# KiCad board central-control-unit.kicad_pcb (continued)
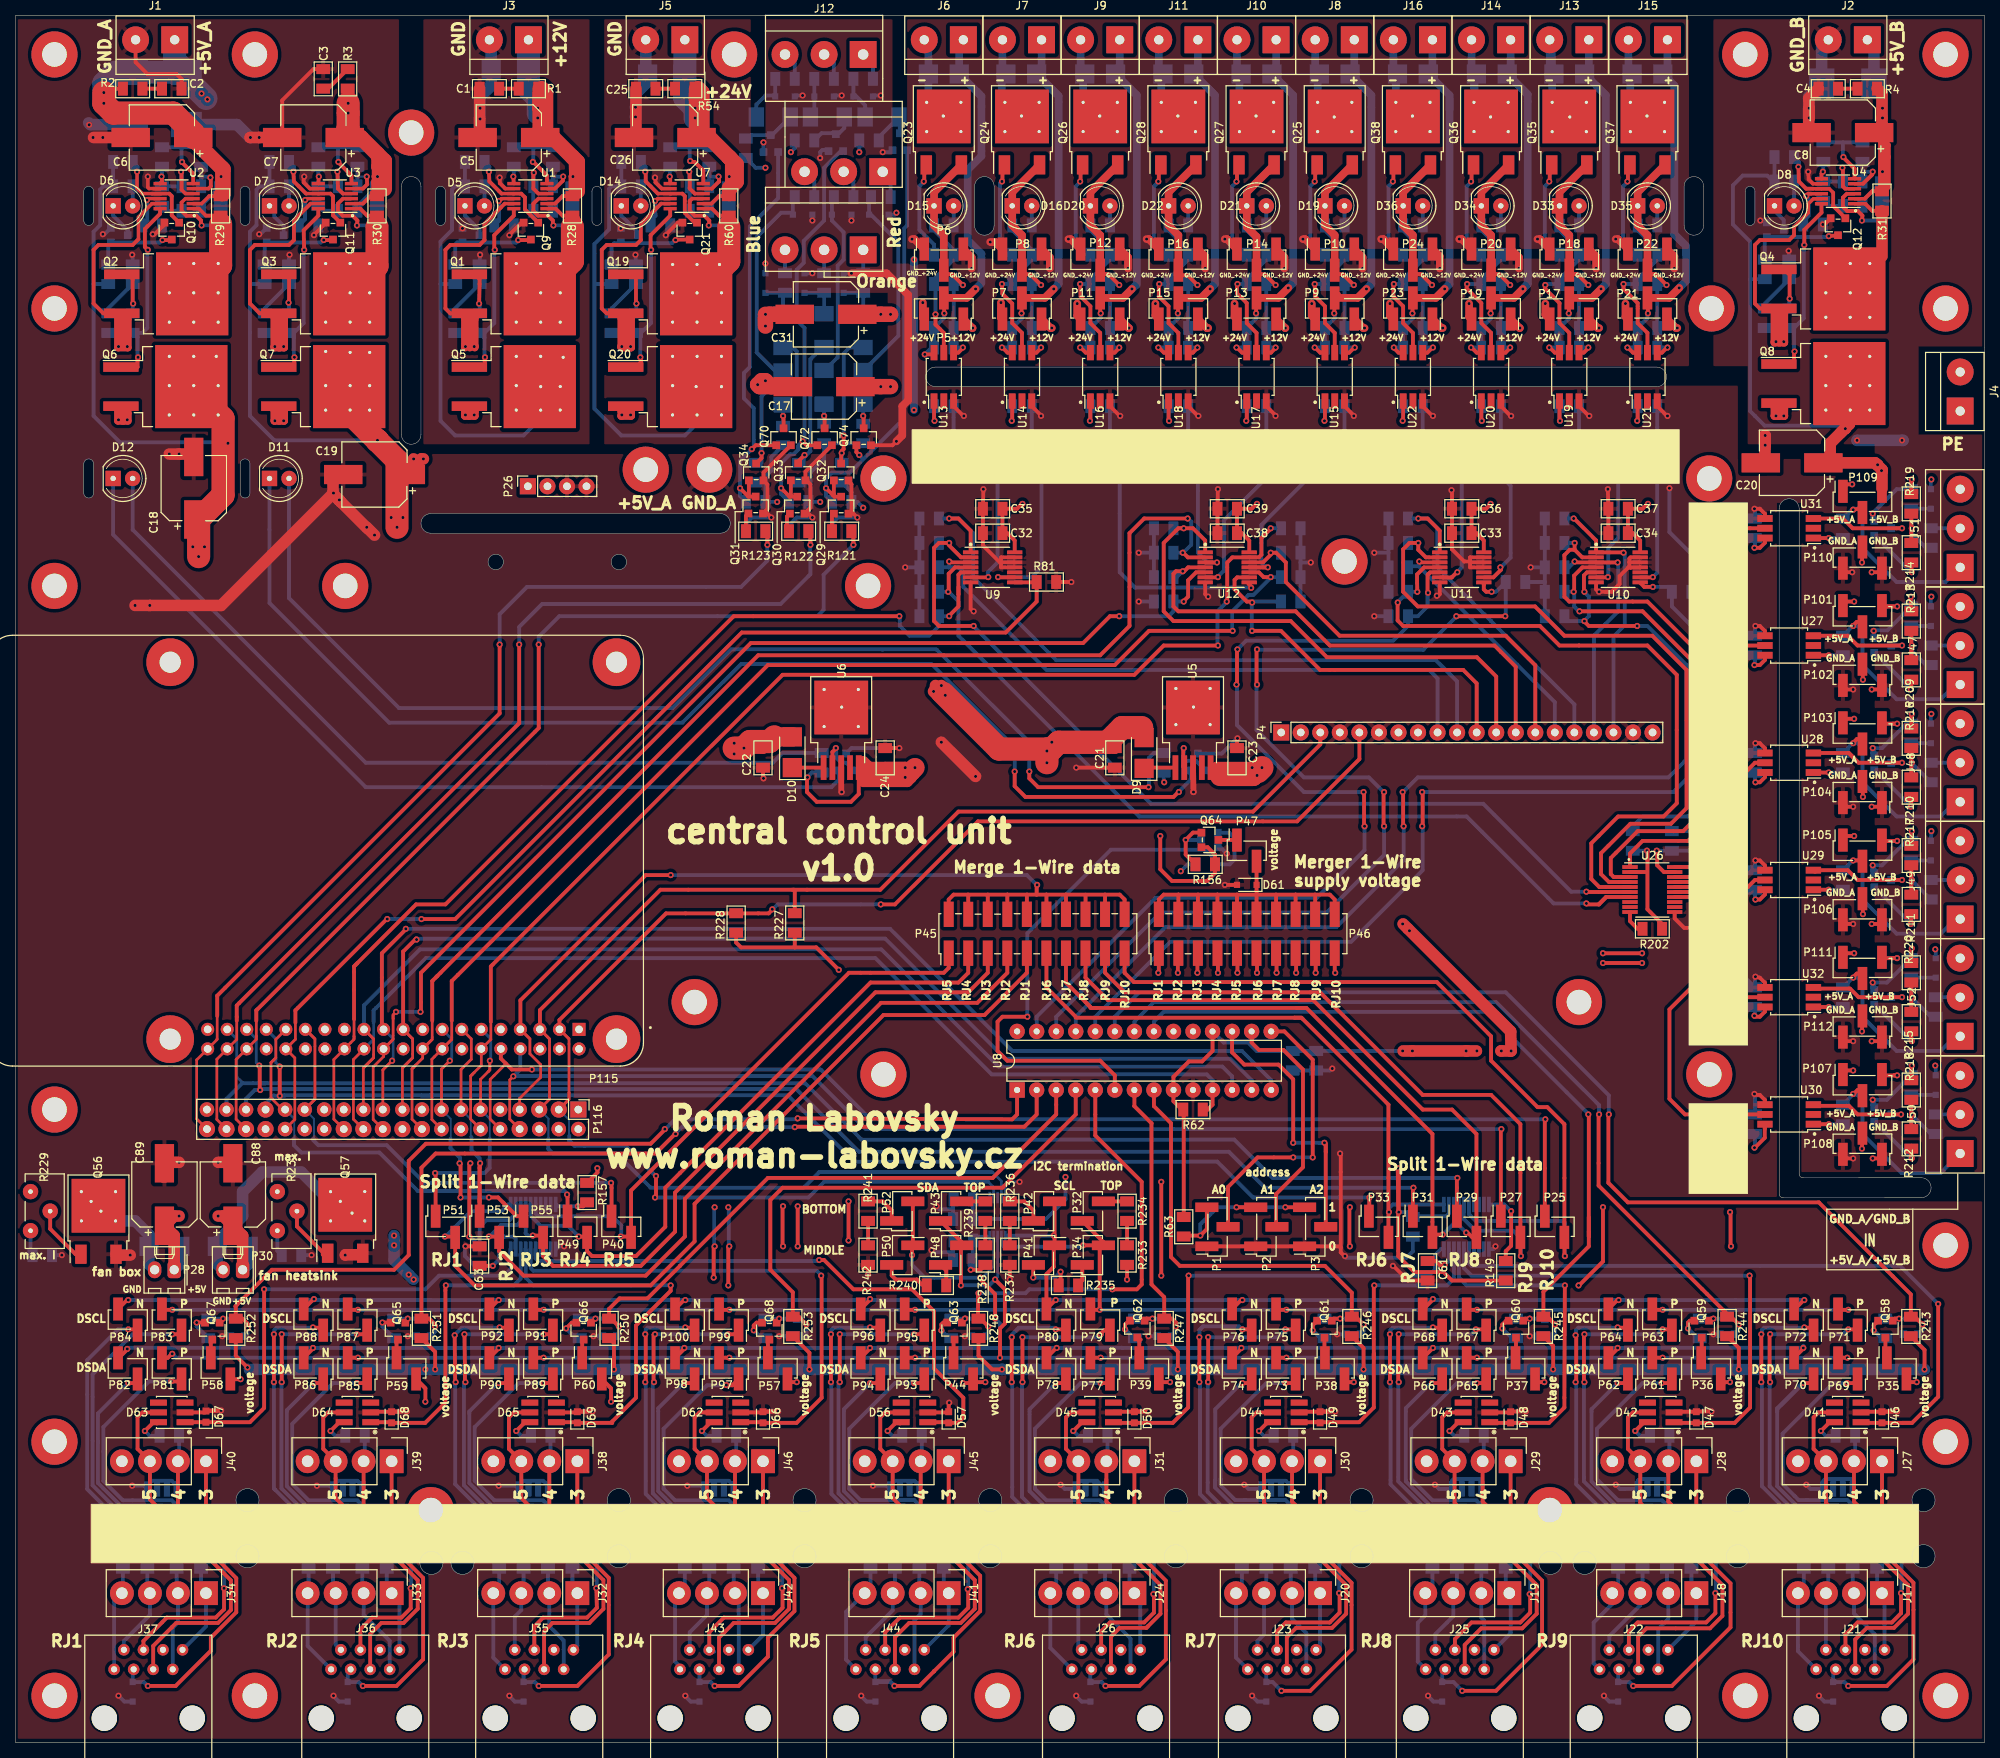
[diagram p0: board, top side]
## Routing (per net, layer and track width the routed paths; a pad name or vN(x,y) marks a point on that pad's centre or on a via; arc(x,y) is an arc through that point) (continued)
  Bottom w0.5: U24.15 67.61,62.95 67.94,62.61 104.33,62.61 v1(104.46,62.74)
/1-Wire bus/1WIRE_OUTDOOR_SENSOR_DATA_OUT_3V3: length 77.1
  Top w0.5: P45.1 121.29,100.71 120.65,100.08 108.32,100.08 80.01,71.77 P40.2 79.91,65.79 v1(78.68,65.79) 78.74,65.79
  Bottom w0.5: U24.6 67.61,68.77 67.96,68.42 77.56,68.42 78.74,67.24 78.74,65.79
/1-Wire bus/1WIRE_SECOND_FLOOR_FIREPLACE_DATA_5V: length 52.8
  Top w0.5: D65.1 72.94,41.66 D69.1 77.56,41.57 77.56,41.75 80.64,44.83 80.64,54.22 85.15,58.73 v1(85.15,59.44) 85.09,59.44
  Bottom w0.25: 66.36,63.46 66.3,63.51 U24.17
  Bottom w0.5: 85.09,59.44 67.31,59.44 66.3,60.44 U24.17 66.3,63.32
/1-Wire bus/1WIRE_SECOND_FLOOR_FIREPLACE_DATA_OUT_3V3: length 88.3
  Top w0.5: P45.5 126.36,100.08 123.83,97.54 111.76,97.54 85.72,71.5 85.72,66.42 81.28,61.98 69.85,61.98 68.58,63.25 P55.2 68.35,65.91 v1(67.25,65.91)
  Bottom w0.5: v1(67.25,65.91) 66.61,65.91 66.3,66.22 U24.4
/ Relays Outputs/BLUE_LED_CON_1: length 3.2
  Bottom w0.5: 100.01,194.18 R132.2
/ Relays Outputs/BLUE_LED_CON_2: length 3.7
  Bottom w0.5: 103.82,201.17 103.82,203.07 102.55,204.34
/ Relays Outputs/BLUE_LED_CON_3: length 3.7
  Bottom w0.5: 101.28,216.41 101.28,218.31 100.01,219.58
/ Relays Outputs/ORANGE_LED_CON_1: length 3.2
  Bottom w0.5: 105.09,194.18 R131.2
/ Relays Outputs/ORANGE_LED_CON_2: length 3.7
  Bottom w0.5: 108.9,201.17 108.9,203.07 107.63,204.34
/ Relays Outputs/ORANGE_LED_CON_3: length 3.7
  Bottom w0.5: 105.09,219.58 106.36,218.31 106.36,216.41
/ Relays Outputs/RED_LED_CON_1: length 3.2
  Bottom w0.5: R130.2 110.17,194.18
/ Relays Outputs/RED_LED_CON_2: length 3.6
  Bottom w0.5: 112.71,204.34 113.73,203.33 113.73,201.17
/ Relays Outputs/RED_LED_CON_3: length 3.7
  Bottom w0.5: 111.44,216.41 111.44,218.31 110.17,219.58
/ Relays Outputs/TRAN_BLUE_LED: length 56.9
  Top w0.5: 95.26,161.98 95.32,162.04 Q34.1 ; 95.26,161.98 v1(94.17,163.07) ; 95.26,161.98 Q31.3 ; Q70.1 96.2,168.66 v1(95.69,168.15)
  Bottom w0.5: Q69.1 99.12,200.78 95.44,197.1 95.44,178.82 94.68,178.05 94.68,174.75 95.95,173.48 95.95,168.4 94.17,166.62 94.17,162.05 R126.2
/ Relays Outputs/TRAN_ORANGE_LED: length 58.8
  Top w0.5: 100.61,161.97 100.77,162.13 Q33.1 ; 100.61,161.97 v1(99.5,163.07) ; 100.61,161.97 Q30.3 ; v1(102.3,169.16) 102.81,168.66 Q72.1
  Bottom w0.5: v1(102.3,169.16) 101.79,168.66 101.79,168.15 ; R125.2 99.5,162.31 99.5,166.32 100.67,167.49 101.13,167.49 101.69,168.05 101.69,168.5 102.55,169.37 102.55,183.9 101.54,184.91 101.54,191.47 102.45,192.38 102.45,195.22 105.09,197.87 105.09,204.72 107.39,207.03 107.57,207.03
/ Relays Outputs/TRAN_RED_LED: length 58.1
  Top w0.5: 106.24,162.18 106.45,161.97 Q29.3 ; 106.24,162.18 v1(105.35,163.07) ; 106.24,162.18 106.36,162.31 Q32.1 ; v1(109.66,167.39) 109.29,167.76 Q74.1
  Bottom w0.5: Q71.1 115.88,197.23 115.51,196.85 115.51,172.16 108.45,165.1 106.11,165.1 105.35,164.34 105.35,162.05 R124.2 ; v1(109.66,167.39) 110.07,166.98
/Connectors/PCB_FREE1_5V: length 12.1
  Top w0.5: U29.5 226.06,112.14 225.15,111.23 U26.16
/Connectors/PCB_FREE2_5V: length 25.3
  Top w0.5: U26.17 222.81,111.88 224.79,113.86 224.79,126.11 226.06,127.38 U28.5
/Connectors/PCB_FREE3_5V: length 38.9
  Top w0.25: U26.18 215.65,112.53 215.72,112.45
  Top w0.5: U26.18 219.65,112.53 222.89,115.76 222.89,140.72 224.79,142.62 U27.5
/Connectors/PCB_FREE4_5V: length 53.9
  Top w0.5: 217.39,113.83 219.05,113.83 220.98,115.76 220.98,154.05 224.79,157.86 U31.5 ; 217.39,113.83 U26.20 ; 217.39,113.83 218.86,113.83
/Connectors/PCB_PUMP_UNDERFLOOR_HEATING_FIRST_FOOR_5V: length 46.7
  Top w0.5: U30.5 216.98,81.66 214.95,83.69 214.95,95.31 220.98,101.35 220.98,108.78 219.83,109.93 U26.14
/Connectors/PCB_PUMP_UNDERFLOOR_HEATING_SECOND_FOOR_5V: length 23.2
  Top w0.5: U26.15 221.08,110.58 222.89,108.78 222.89,98.81 224.79,96.9 U32.5
/I2C bus/DSCL_N: length 280.9
  Top w0.5: 14.6,57.53 14.5,57.53 P84.2 ; 135.26,57.53 v1(135.19,57.53) 135.15,57.53 P80.2 133.99,60.9 134.94,61.85 134.94,64.54 P41.1 P42.2 ; 208.28,57.53 208.18,57.53 P64.2 ; P96.2 111.02,57.53 v1(111.06,57.66) 111.12,57.53 ; P92.2 62.76,57.53 v1(62.8,57.53) 62.86,57.53 ; P76.2 159.28,57.53 159.39,57.53 ; P72.2 231.25,56.37 232.41,57.53 ; 38.73,57.53 38.63,57.53 P88.2 ; 232.41,57.53 232.47,57.59 v1(232.47,57.53) 232.41,57.53 ; 135.04,70.25 135.15,70.36 ; P100.2 86.89,57.53 87,57.53 ; 182.88,56.37 182.99,56.37 184.15,57.53
  Bottom w0.5: 53.97,57.53 v1(87.06,57.53) 125.09,57.53 ; 53.97,57.53 38.93,57.53 v1(38.8,57.66) 38.67,57.53 38.1,57.53 ; 53.97,57.53 31.11,57.53 ; 38.1,57.53 v1(14.67,57.53) 14.6,57.53 ; 38.1,57.53 38.73,57.53 ; v1(134.94,65.91) 128.89,65.91 128.76,65.79 ; 232.41,57.53 v1(208.34,57.53) 184.34,57.53 v1(184.21,57.66) 184.09,57.53 v1(159.45,57.53) 124.46,57.53
/I2C bus/DSCL_P: length 283.3
  Top w0.5: 116.84,56.26 v1(116.9,56.26) 115.67,56.26 115.57,56.37 ; v1(138.75,64.64) P34.2 ; P34.2 141.39,65.07 P32.1 ; P34.2 140.91,64.16 v1(140.91,56.26) ; 44.45,56.26 43.28,56.26 43.18,56.37 ; 165.1,56.26 163.94,56.26 P75.2 ; P99.2 91.55,56.26 92.71,56.26 ; 139.7,56.37 139.81,56.26 140.97,56.26 ; P91.2 67.41,56.26 68.58,56.26 ; 238.12,56.26 v1(238.19,56.26) 236.96,56.26 P71.2 ; P67.2 188.7,56.26 189.87,56.26 ; 20.32,56.26 19.16,56.26 P83.2 ; P63.2 212.83,56.26 214,56.26
  Bottom w0.35: U25.7 128.13,64.78 128.43,64.48
  Bottom w0.5: v1(138.75,64.64) 138.59,64.48 128.43,64.48 ; 20.32,56.26 v1(20.38,56.26) 53.97,56.26 ; 238.12,56.26 v1(214.06,56.26) v1(165.16,56.26) 124.46,56.26 125.09,56.26 ; 31.11,56.26 v1(44.51,56.26) v1(68.64,56.26) v1(92.77,56.26) 125.73,56.26
  vias: v1(189.93,56.26)
/I2C bus/DSDA_N: length 279.6
  Top w0.5: 37.46,50.55 P86.2 38.67,51.22 v1(38.67,51.31) ; 109.86,50.55 P94.2 111.06,51.22 v1(111.06,51.31) ; 87,51.29 P98.2 86.93,51.22 v1(86.93,51.31) ; v1(184.21,51.31) 182.92,50.02 182.88,50.02 182.88,50.55 ; 133.99,50.55 P78.2 135.28,51.31 v1(135.32,51.31) ; 61.59,50.55 P90.2 62.8,51.22 v1(62.8,51.31) ; v1(127.32,55.12) 127.32,58.29 125.41,60.2 ; 116.73,70.36 116.63,70.25 P50.1 116.52,64.54 v1(116.52,63.37) ; 158.12,50.55 P74.2 159.32,51.22 v1(159.32,51.31) ; v1(232.35,51.31) 232.35,51.22 P70.2 231.14,50.55 ; P82.2 13.44,50.02 14.6,51.18 ; 207.01,50.55 P62.2 208.22,51.22 v1(208.22,51.31)
  Bottom w0.25: 125.67,60.45 v1(125.41,60.45)
  Bottom w0.35: 125.67,60.45 127.14,61.92 U25.9
  Bottom w0.5: 127.95,51.31 127.95,54.48 v1(127.32,55.12) ; 127.95,51.31 v1(111.06,51.31) v1(86.93,51.31) v1(62.8,51.31) v1(38.67,51.31) 37.78,51.31 37.77,51.32 ; 127.95,51.31 140.65,51.31 140.66,51.32 143.81,51.32 143.83,51.31 158.43,51.31 ; v1(125.41,60.45) 119.44,60.45 ; 119.44,60.45 118.43,60.45 ; 119.44,60.45 118.17,60.45 116.52,62.1 v1(116.52,63.37) ; 231.57,51.32 231.58,51.31 v1(232.35,51.31) ; 231.57,51.32 232.08,51.32 232.35,51.59 ; 231.57,51.32 213.69,51.32 213.67,51.31 207.45,51.31 207.44,51.32 158.45,51.32 158.43,51.31 ; 159.7,51.31 v1(159.32,51.31) 158.43,51.31 ; 37.77,51.32 14.68,51.32 v1(14.54,51.18) ; 37.77,51.32 38.18,51.32
/I2C bus/DSDA_P: length 264.1
  Top w0.5: 20.32,50.55 19.79,50.02 P81.2 ; v1(127.32,60.2) 128.59,58.93 128.59,54.48 127.95,53.85 v1(127.95,50.04) ; v1(116.9,50.04) 115.59,50.04 115.57,50.02 ; P43.1 122.98,65.07 P48.2 122.87,64.54 v1(122.87,59.44) ; v1(165.16,50.04) 163.85,50.04 P73.2 ; v1(214.06,50.04) 212.75,50.04 P61.2 ; v1(92.77,50.04) 91.46,50.04 P97.2 ; v1(238.06,50.04) 236.88,50.04 P69.2 ; v1(189.93,50.04) 188.62,50.04 P65.2 ; v1(141.03,50.04) 139.72,50.04 139.7,50.02 ; v1(44.51,50.04) 43.2,50.04 43.18,50.02 ; P89.2 67.33,50.04 v1(68.64,50.04)
  Bottom w0.35: U25.8 127.64,60.52 v1(127.32,60.2)
  Bottom w0.5: v1(127.32,60.2) 126.56,59.44 v1(122.87,59.44) ; v1(238.06,50.04) v1(165.16,50.04) v1(116.9,50.04) v1(92.77,50.04) 66.99,50.04 ; 43.37,50.04 v1(44.51,50.04) 66.99,50.04 ; 43.37,50.04 20.89,50.04 v1(20.38,50.55) ; 43.37,50.04 44.01,50.04 ; 66.99,50.04 68.14,50.04
/MCP23S17_A0: length 38.4
  Top w0.5: 157.59,71.84 157.59,72.05 ; 157.59,71.84 157.59,72.24 161.42,76.07 v1(166.05,76.07) ; 157.59,71.84 P1.2 ; 168.59,87.5 168.59,88.33 ; 168.59,87.5 168.59,88.77 164.91,92.46 U8.15 ; 168.59,87.5 v1(168.59,76.07)
  Bottom w0.5: v1(168.59,76.07) v1(166.05,76.07)
/MCP23S17_A1: length 31.5
  Top w0.5: U8.16 160.66,91 161.61,90.04 164.78,90.04 167.32,87.5 167.32,74.8 163.83,71.31 163.83,67.06
/MCP23S17_A2: length 36.8
  Top w0.5: 170.29,67.16 P3.2 170.29,76.79 ; 170.29,76.79 170.29,77.81 v1(170.12,77.98) ; 170.29,76.79 170.29,77.56 ; U8.17 158.12,89.73 159.7,88.14 164.15,88.14 166.05,86.23 v1(166.05,77.98)
  Bottom w0.5: v1(166.05,77.98) 169.35,77.98 ; 169.35,77.98 v1(170.12,77.98) ; 169.35,77.98 169.86,77.98
CELLAR_FIREPLACE_DSCL_N_CON: length 13.6
  Bottom w0.5: J37.1 12.83,18.41 J34.4 13.97,19.56 R185.1
CELLAR_FIREPLACE_DSCL_P_CON: length 12.1
  Bottom w0.5: J37.2 14.1,13.21 17.48,16.6 J34.3 17.15,19.77 R184.1
CELLAR_FIREPLACE_DSDA_N_CON: length 13.4
  Bottom w0.5: R183.1 20.95,19.6 J34.2 21.12,15.6 20.45,14.92 J37.7
CELLAR_FIREPLACE_DSDA_P_CON: length 12.1
  Bottom w0.5: R182.1 24.13,20.07 J34.1 24.77,15.11 J37.8
Earth_Protective: length 85.7
  GND.Cu w0.5: P4.20 212.76,138.84 219.08,145.16 219.08,158.94 216.22,161.8 216.22,166.88 218.12,168.78 222.57,168.78 225.23,166.12 239.4,166.12 246.38,173.1 J4.1 252.73,178.18
FIRST_FLOOR_FIREPLACE_DSCL_N_CON: length 14.4
  Bottom w0.5: R189.1 38.1,19.56 J33.4 37.98,12.57 J36.1
FIRST_FLOOR_FIREPLACE_DSCL_P_CON: length 11
  Bottom w0.5: J36.2 41.61,12.74 J33.3 41.27,19.77 R188.1
FIRST_FLOOR_FIREPLACE_DSDA_N_CON: length 14.6
  Bottom w0.5: 48.64,9.53 48.64,13.23 45.25,16.62 J33.2 45.09,19.6 R187.1
FIRST_FLOOR_FIREPLACE_DSDA_P_CON: length 11.2
  Bottom w0.5: R186.1 48.26,20.07 J33.1 49.91,18.41 J36.8
FREE1_DSCL_N_CON: length 13.9
  Bottom w0.5: J26.1 134.5,12.32 134.5,18.8 135.26,19.56 135.26,21.97
FREE1_DSCL_P_CON: length 10.2
  Bottom w0.5: 138.43,21.97 138.43,19.09 138.14,18.8 138.14,12.49 J26.2
FREE1_DSDA_N_CON: length 13.8
  Bottom w0.5: 144.91,9.53 144.91,13.52 141.78,16.66 141.78,18.8 141.61,18.97 141.61,21.97
FREE1_DSDA_P_CON: length 10.5
  Bottom w0.5: 144.78,21.97 144.78,19.43 146.18,18.03 J26.8
FREE2_DSCL_N_CON: length 20.9
  Bottom w0.5: 159.39,21.97 159.39,19.56 158.62,18.8 ; 158.62,18.8 158.62,11.05 J23.1 ; 158.62,18.8 158.62,11.3
FREE2_DSCL_P_CON: length 10.9
  Bottom w0.5: 162.27,18.8 162.27,14.06 161.42,13.21 J23.2 ; 162.27,18.8 162.56,19.09 162.56,21.97 ; 162.27,18.8 161.93,18.46
FREE2_DSDA_N_CON: length 13.8
  Top w0.5: 167.51,9.27 167.89,9.65
  Bottom w0.5: J23.7 167.77,14.22 165.91,16.09 165.91,18.8 165.74,18.97 165.74,21.97
FREE2_DSDA_P_CON: length 10.4
  Bottom w0.5: J23.8 169.55,12.57 169.55,18.8 168.91,19.43 168.91,21.97
FREE3_DSCL_N_CON: length 13.7
  Bottom w0.5: 184.15,21.97 184.15,19.73 183.22,18.8 183.22,16.55 182.25,15.58 182.25,10.54 183.26,9.53
FREE3_DSCL_P_CON: length 11.1
  Bottom w0.5: 187.33,21.97 187.33,19.26 186.86,18.8 186.86,16.43 184.53,14.1 J25.2
FREE3_DSDA_N_CON: length 12.6
  Bottom w0.5: J25.7 190.88,15.87 190.5,16.26 190.5,21.97
FREE3_DSDA_P_CON: length 11.6
  Bottom w0.5: J25.8 194.31,14.22 194.31,14.92 ; 194.31,14.92 194.31,18.63 193.68,19.26 193.68,21.97 ; 194.31,14.92 194.31,14.35
FREE4_DSCL_N_CON: length 14.1
  Bottom w0.5: J22.1 205.11,10.29 205.11,15.62 207.52,18.04 207.52,18.8 208.28,19.56 208.28,21.97
FREE4_DSCL_P_CON: length 11.7
  Bottom w0.5: J22.2 207.14,13.84 211.16,17.87 211.16,18.8 211.46,19.09 211.46,21.97
FREE4_DSDA_N_CON: length 13.1
  Bottom w0.5: 214.63,21.97 214.63,18.97 214.8,18.8 214.8,16.09 213.49,14.77 J22.7
FREE4_DSDA_P_CON: length 11.7
  Bottom w0.5: J22.8 218.44,15.75 218.44,18.8 217.81,19.43 217.81,21.97
FREE5_DSCL_N_CON: length 13.7
  Bottom w0.5: J21.1 231.65,11.89 231.65,18.8 232.41,19.56 232.41,21.97
FREE5_DSCL_P_CON: length 10
  Bottom w0.5: 235.59,21.97 235.59,19.09 235.28,18.79 J21.2
FREE5_DSDA_N_CON: length 13.6
  Bottom w0.5: 238.76,21.97 238.76,18.97 238.93,18.8 238.93,16.78 241.63,14.08 J21.7
FREE5_DSDA_P_CON: length 10.3
  Bottom w0.5: 241.94,21.97 241.94,19.43 242.9,18.46 J21.8
HOT_WATER_TANK_DSCL_N_CON: length 13.9
  Bottom w0.5: R201.1 87,20.19 J42.4 85.72,18.92 85.72,10.54 86.36,9.91 J43.1
HOT_WATER_TANK_DSCL_P_CON: length 11.6
  Bottom w0.5: J43.2 87.63,14.35 89.88,16.6 J42.3 90.17,19.73 R200.1
HOT_WATER_TANK_DSDA_N_CON: length 13.3
  Bottom w0.5: R199.1 93.34,19.6 J42.2 93.98,18.97 J43.7
HOT_WATER_TANK_DSDA_P_CON: length 12.2
  Bottom w0.5: R198.1 96.52,20.07 J42.1 97.16,14.99 ; 97.16,14.99 97.16,13.97 J43.8 ; 97.16,14.99 97.16,14.35
I2C_SCL: length 206.5
  Top w0.25: 67.94,93.26 68.04,93.36
  Top w0.35: 69.41,91.06 69.41,91.48 P115.5 69.34,91.55 ; 69.41,91.06 69.41,83.63 P116.5 ; 69.41,91.06 69.41,91.31
  Top w0.5: 101.16,110.87 83.82,110.87 68.17,95.22 P115.5 ; 101.16,110.87 101.28,110.74 R227.2 ; 101.16,110.87 112.39,110.87 122.55,121.03 160.85,121.03 169.58,129.76 P4.3
  Bottom w0.25: 69.25,78.52 69.27,78.54 69.27,81.09 P116.5
  Bottom w0.35: U25.4 128.14,72.97 126.94,74.17
  Bottom w0.5: 69.25,78.52 69.25,77.18 69.85,76.58 78.11,76.58 82.55,72.14 102.43,72.14 104.46,74.17 126.94,74.17
I2C_SDA: length 208.6
  Top w0.35: 71.88,83.57 P116.3 71.95,83.63 71.95,84.46 ; 71.88,91.55 P115.3 71.95,91.48 71.95,84.46 ; 71.95,84.46 71.95,83.95
  Top w0.5: 93.68,107.8 84.56,107.8 70.71,93.95 P115.3 ; 93.68,107.8 97.89,107.8 98.36,108.27 v1(98.36,108.33) 98.42,108.33 ; 93.68,107.8 R228.2 ; 112.39,108.97 v1(112.46,108.97) 114.3,108.97 125.09,119.76 166.56,119.76 174.66,127.86 P4.5 ; 83.19,73.69 v1(83.25,73.66) 83.25,70.99 v1(83.12,70.87)
  Bottom w0.25: 71.98,78.9 71.95,78.93 71.95,80.96 P116.3
  Bottom w0.35: U25.2 127.14,72.19 126.43,72.9
  Bottom w0.5: 83.19,70.87 v1(83.12,70.87) 103.06,70.87 105.09,72.9 126.43,72.9 ; 83.19,73.69 79.3,77.57 ; 79.3,77.57 80.47,76.4 79.38,77.5 ; 79.3,77.57 72.67,77.57 71.98,78.26 71.98,78.9 ; 98.42,108.33 99.06,108.97 112.39,108.97
OTHER_+3V3: length 77.9
  Top w0.5: 160.66,126.75 C23.1 U5.5
  Top w1.5: v1(160.72,126.75) 161.93,126.75 ; v1(160.72,126.75) 160.66,126.75 ; v1(160.72,126.75) 156.02,126.75
  Top w2.5: v1(161.99,126.75) 160.85,125.6 156.53,125.6
  Top w3: v1(161.99,126.75) 161.48,126.24
  PWR.Cu w0.5: 166.81,126.75 179.71,126.75 ; 162.56,126.75 160.66,126.75 160.66,126.11 159.39,124.84 v1(149.29,124.84) 149.23,124.84
  PWR.Cu w1.5: P4.8 182.28,128.49 180.53,126.75 179.26,126.75 ; v1(161.35,125.73) 161.35,126.75 ; 161.35,126.75 179.71,126.75 ; 161.35,126.75 160.66,126.75 ; P4.2 167.04,126.97 166.81,126.75
  Bottom w0.5: 149.23,124.84 R52.1
OTHER_+5V_A: length 1548.2
  Top w0.5: 62.02,61.98 C63.1 ; v1(168.59,53.59) 168.59,54.36 168.67,54.36 Q61.2 ; C61.1 184.59,62.61 185.1,62.1 v1(185.74,62.1) ; v1(95.95,53.59) 95.95,54.23 96.31,54.59 Q68.2 97.01,54.61 ; 238.76,87.38 v1(238.82,87.38) 238.02,87.38 P107.1 ; v1(47.69,54.61) 48.75,54.61 Q65.2 ; 226.06,109.6 v1(226.12,109.6) 226.7,109.6 227.36,110.26 227.36,110.87 ; 72.79,54.48 Q66.2 72.31,54.59 v1(71.56,53.85) ; 238.76,133.1 v1(238.95,133.1) 238.02,133.1 P103.1 ; Q64.2 154.94,116.4 155.89,115.44 R156.1 155.89,113.03 154.88,112.01 150.3,112.01 148.78,113.54 148.78,117.6 ; 24.64,54.8 24.64,54.85 24.4,54.61 23.43,54.61 v1(23.56,54.61) ; v1(217.36,53.85) 217.36,54.61 217.6,54.85 Q59.2 ; v1(124.14,61.47) 125.41,61.47 126.05,62.1 ; 144.45,54.59 144.21,54.36 v1(144.21,53.72) ; 226.06,77.34 227.33,78.61 227.33,80.37 U30.6 227.36,79.78 ; Q58.2 241.49,54.27 v1(241.49,53.59) ; P111.1 238.02,102.62 v1(238.95,102.62) 238.76,102.62 ; 226.06,155.32 v1(226,155.32) 226.7,155.32 227.36,155.98 U31.6 ; v1(120.33,53.59) 120.33,54.36 120.59,54.61 Q63.2 ; 238.76,148.34 v1(238.95,148.34) 238.02,148.34 P101.1 ; 226.06,94.36 226.7,94.36 227.36,95.02 U32.6 ; U27.6 227.36,140.74 226.7,140.08 v1(226,140.08) 226.06,140.08 ; 226.06,124.84 v1(226.12,124.84) 226.7,124.84 227.36,125.5 U28.6 ; v1(144.46,60.2) 144.46,62.1 ; v1(193.23,53.85) 193.23,54.36 193.72,54.85 Q60.2 ; U26.19 214.23,113.18 213.36,114.05 213.36,115.95 ; 238.76,163.58 v1(238.7,163.58) 238.02,163.58 237.49,163.05 ; 238.76,117.86 v1(238.95,117.86) 238.02,117.86 P105.1
  Top w1: 120.33,136.65 v1(119.32,136.65) 119.32,137.16 119.57,137.41 ; 120.33,136.65 v1(120.33,137.41) ; 120.33,136.65 120.59,136.4
  Top w1.5: 43.38,174.17 Q7.3 43.38,172.9 47.09,169.2 ; v1(119.32,136.65) 119.82,136.14 v1(120.84,136.14) 120.84,136.91 v1(120.33,137.41) ; 132.72,129.29 C21.1 142.88,129.92 ; P30.1 29.53,65.91 C88.1 26.99,68.45 v1(26.35,68.45) ; 119.57,137.41 120.59,136.4 ; v1(51.75,166.88) 51.75,165.86 C19.1 52.77,166.88 v1(53.02,166.88) ; v1(21.27,68.45) 20.64,68.45 C89.1 20.64,65.91 P28.1 ; 133.99,129.29 133.99,127.38
  Top w3: v1(134.05,127.38) v1(134.05,128.91) 134.05,129.16 ; 134.05,129.16 134.68,129.16 135.57,130.05 141.92,130.05 143.83,131.95 146.37,131.95 ; 134.05,129.16 127.83,129.16 120.59,136.4 ; v1(49.59,157.99) 49.59,166.69 47.05,169.23 v1(47.05,169.29) 46.99,169.29 43.5,172.78 43.5,176.4
  PWR.Cu w0.5: 226.06,94.36 226.06,96.9 221.62,101.35 221.62,101.98 ; 9.84,76.07 7.18,76.07 1.97,70.87 ; 9.84,76.07 17.46,76.07 ; 9.84,76.07 12.38,76.07 ; 95.95,55.12 95.95,67.31 95.65,67.61 ; 95.95,55.12 95.95,54.61 ; 95.95,55.12 v1(95.95,53.59) ; 26.99,73.53 31.5,73.53 34.04,70.99 ; 26.99,73.53 20.64,73.53 20.32,73.22 ; 26.99,73.53 26.35,73.53 ; 238.76,87.38 237.96,87.38 237.41,87.93 ; 237.41,148.26 237.49,148.34 238.76,148.34 ; 226.06,140.08 221.62,140.08 ; 237.41,117.94 237.49,117.86 238.76,117.86 ; v1(148.78,117.86) 148.78,121.16 148.97,121.35 ; v1(193.23,53.85) 193.23,61.85 193.68,62.29 193.68,67.53 193.59,67.61 ; v1(241.49,53.59) 241.49,67.5 ; 71.56,54.48 71.56,54.86 ; 71.56,54.86 v1(71.56,53.85) ; 71.56,54.86 71.56,61.21 69.83,62.95 69.83,67.61 ; 28.64,57.28 28.7,57.34 ; 120.33,61.21 120.59,61.47 121.6,61.47 ; 120.33,61.21 v1(120.33,53.59) ; 120.33,61.21 120.33,67.18 120.76,67.61 120.65,67.5 ; 62.02,61.98 v1(62.04,61.98) 62.04,62 63.5,63.46 63.5,67.69 ; v1(185.74,62.1) 182.88,64.96 182.88,67.53 182.8,67.61 182.88,67.69 ; v1(217.36,53.85) 217.36,67.34 217.09,67.61 ; v1(47.69,54.61) 47.69,60.2 ; 47.69,60.2 47.69,60.96 47.18,61.47 ; 47.69,60.2 47.69,60.58 ; 238.76,102.62 237.49,102.62 237.41,102.54 ; 33.46,57.02 33.78,57.34 ; v1(168.59,53.59) 168.59,67.31 168.29,67.61 ; 121.6,61.47 120.78,61.47 ; 121.6,61.47 v1(124.14,61.47) ; 238.76,133.1 237.49,133.1 237.41,133.02 ; 133.99,126.11 133.99,129.29 ; 52.77,65.66 53.09,65.98 ; 152.4,121.03 152.08,121.35 ; 48.26,61.15 48.58,61.47 ; 241.49,68.01 241.38,68.12 ; 238.76,163.58 235.59,163.58 ; 221.62,115.76 221.42,115.95 v1(219.14,115.95) 219.08,115.95 ; 226.06,124.84 221.62,124.84 221.62,124.21 ; 144.89,67.61 144.46,67.18 v1(144.46,60.2) 144.21,59.94 v1(144.21,53.72) ; 146.05,140.72 164.47,140.72 ; 226.06,155.32 221.62,155.32 ; 24.13,56.71 23.56,56.13 v1(23.56,54.61) ; 141.61,136.27 141.29,135.95 ; 226.06,77.34 225.11,77.34 ; 226.06,109.6 221.62,109.6
  PWR.Cu w1: v1(109.66,206.76) 108.9,207.52 102.81,207.52 ; 105,160.88 109.82,160.88 v1(110.17,160.53) ; 105,160.88 v1(104.58,161.29) 103.82,162.05 103.82,168.66 106.36,171.2 111.7,171.2 113.73,173.23 v1(116.78,173.23) ; 105,160.88 105,146.65 ; 102.81,207.52 101.54,207.52 ; 102.81,207.52 101.28,207.52 ; 101.28,207.52 100.27,207.52 v1(97.47,204.72) 97.47,202.95 100.01,200.41 109.92,200.41 113.98,196.34 113.98,195.58 v1(116.78,192.79) ; 101.28,207.52 101.28,207.26 v1(100.77,206.76) ; v1(99,161.29) 99.5,160.78 99.5,146.81 99.66,146.65 ; 99.89,146.88 100.11,146.65
  PWR.Cu w1.5: 221.62,141.99 221.62,121.03 ; 221.62,141.99 221.62,157.23 ; 221.62,141.99 221.62,140.72 ; 208.83,67.61 54.72,67.61 48.58,61.47 39.05,61.47 34.92,57.34 24.77,57.34 24.13,56.71 ; 208.83,67.61 208.92,67.69 208.92,107.7 ; 208.83,67.61 241.38,67.61 ; 208.92,107.7 198.76,107.7 185.1,121.35 136.21,121.35 133.99,123.57 133.99,129.29 134.68,129.98 v1(134.68,130.05) 134.75,130.05 145.42,140.72 ; 208.92,107.7 213.36,107.7 ; 120.65,136.27 113.44,143.48 108.17,143.48 105,146.65 56.74,146.65 49.59,153.8 49.59,159.26 ; 221.62,108.33 221.62,121.03 ; 221.62,108.33 220.98,107.7 213.36,107.7 ; 221.62,108.33 221.62,101.98 214.95,95.31 214.95,82.42 220.03,77.34 v1(226,77.34) 226.06,77.34 ; 221.62,157.23 221.62,159.13 226.7,164.21 234.95,164.21 237.41,161.75 237.41,86.66 ; 221.62,157.23 221.62,158.5 ; 213.36,107.7 219.08,107.7 ; 160.02,140.72 163.83,140.72 164.5,140.05 P4.1 ; v1(26.35,68.45) 23.81,68.45 ; 23.81,68.45 v1(21.27,68.45) ; 23.81,68.45 23.81,69.72 13.02,80.52 13.02,154.81 18.1,159.89 36.51,159.89 38.42,161.8 38.42,163.7 41.59,166.88 v1(51.75,166.88) v1(53.02,166.88) ; 221.62,121.03 221.62,119.76 ; 145.42,140.72 146.05,140.72 ; 145.42,140.72 160.66,140.72
  Bottom w0.25: 62.86,65.15 62.86,63.25 ; 65.02,64.13 U24.19 ; 186.29,63.52 186.31,63.5
  Bottom w0.5: 62.86,62.83 62.86,65.15 63.5,65.79 64.77,65.79 65,65.55 U24.19 ; 62.86,62.83 62.86,63.25 ; 62.86,62.83 62.02,61.98 ; 30.48,189.61 30.48,172.47 33.66,169.29 46.99,169.29 ; 30.48,189.61 R46.1 ; 30.48,189.61 30.48,196.41 31.34,197.26 31.34,201.9 31.75,202.31 R50.1 R42.1 ; R155.1 121.35,52.58 v1(120.33,53.59) ; R154.1 145.35,52.58 v1(144.21,53.72) ; 126.43,65.79 124.97,65.79 C66.1 124.4,65.21 C67.1 124.4,61.72 v1(124.14,61.47) ; C73.1 C79.1 226.06,77.34 ; 222.89,110.87 226.06,110.87 226.06,109.6 ; R255.1 98.23,167.13 98.23,165.35 97.47,164.59 97.47,163.83 ; v1(110.17,160.53) 109.41,161.29 R124.1 108.65,162.56 R127.1 ; R150.1 242.51,52.58 v1(241.49,53.59) ; R152.1 194.5,52.58 v1(193.23,53.85) ; v1(217.36,53.85) 218.63,52.58 R151.1 ; 103.31,163.83 103.31,161.54 R125.1 v1(104.58,161.29) ; 103.31,163.83 R128.1 103.06,163.83 ; 103.31,163.83 103.31,165.1 105.09,166.88 R257.1 R259.1 ; R159.1 23.56,54.1 v1(23.56,54.61) ; 222.89,97.47 224.72,95.63 C81.1 226.06,94.55 v1(226,94.49) 226.06,94.42 226.06,94.36 ; R160.1 47.69,54.1 v1(47.69,54.61) ; C70.1 C76.1 226.06,140.08 ; v1(168.59,53.59) 169.61,52.58 R153.1 ; 213.36,115.95 v1(213.3,115.95) C69.1 219.08,115.95 ; v1(100.77,206.76) 101.28,207.26 R258.1 ; v1(97.47,204.72) 96.2,204.72 R254.1 94.93,206.25 ; 97.47,163.83 R129.1 ; 97.47,163.83 R126.1 v1(99,161.29) ; v1(95.95,53.59) 96.96,52.58 R158.1 ; v1(71.56,53.85) 72.83,52.58 R161.1 ; U23.19 186.29,62.66 185.86,62.23 185.86,62.1 v1(185.74,62.1) ; v1(109.66,206.76) R256.1 ; C74.1 C80.1 ; C80.1 226.06,155.96 ; C80.1 226.06,155.32 ; 226.06,124.84 C77.1 C71.1
  Bottom w1: 116.78,191.52 v1(116.78,173.23) ; 116.78,191.52 v1(116.78,192.79) ; 116.78,191.52 116.78,192.28
  Bottom w1.5: 21.37,64.01 21.37,62.2 P28.1 ; 30.26,64.01 30.26,62.2 P30.1
  vias: v1(48.83,159.26) v1(50.36,159.26)
OTHER_+5V_B: length 261.1
  Top w0.5: 244.48,117.22 243.4,117.22 ; 243.4,117.22 242.68,117.22 P105.3 ; 243.4,117.22 v1(244.54,117.22) ; 244.48,101.98 243.9,101.98 ; 243.9,101.98 v1(244.54,101.98) ; 243.9,101.98 242.68,101.98 P111.3 ; v1(244.54,132.46) 243.9,132.46 ; 243.21,147.7 v1(244.54,147.7) 244.48,147.7 ; 243.21,147.7 244.04,147.7 ; 243.21,147.7 242.68,147.7 P101.3 ; P107.3 242.68,86.74 244.16,86.74 ; 244.16,86.74 v1(244.54,86.74) ; 244.16,86.74 244.48,86.74 ; P103.3 242.68,132.46 244.48,132.46
  Top w1.5: 238.33,172.27 Q8.3 238.33,171.4 237.81,170.88 ; 237.81,170.88 v1(237.81,170.81) 237.74,170.81 235.84,168.91 235.84,166.75 ; 237.81,170.88 237.17,170.24 ; C20.1 241.68,166.37 241.94,166.12 v1(242,166.12) 242,166.05 242.57,165.48 242.57,165.42 v1(242.51,165.35) 242.57,165.29 242.57,163.05
  PWR.Cu w0.5: v1(244.54,117.22) 244.12,117.22 243.76,117.59 ; 243.76,132.6 243.9,132.46 v1(244.54,132.46) ; 243.76,147.62 243.84,147.7 244.48,147.7 ; 243.76,102.54 243.98,102.54 v1(244.54,101.98) ; 243.84,86.74 243.76,86.82
  PWR.Cu w1.5: 243.76,86.82 243.76,164.29 241.94,166.12
  PWR.Cu w2: 243.52,163.06 243.52,87.06 ; 243.52,163.06 243.52,164.11 ; 243.52,163.06 243.52,164.6 v1(242,166.12) ; 243.52,87.06 243.76,86.82 ; 243.52,87.06 243.84,86.74 v1(244.54,86.74)
  Bottom w0.5: 228.6,206.12 228.6,202.95 228.41,202.95 227.65,203.71 224.47,203.71 223.2,202.44 223.2,197.36 225.43,195.14 225.43,190.25 ; R47.1 225.43,190.25 ; 225.43,190.25 225.43,173.1 226.05,172.48 226.05,172.47 227.32,171.2 237.49,171.2 237.81,170.88
OUTDOOR_SENSOR_DSCL_N_CON: length 14.9
  Bottom w0.5: J44.1 107.95,10.8 107.95,17.02 J41.4 111.12,20.19 R197.1
OUTDOOR_SENSOR_DSCL_P_CON: length 12.1
  Bottom w0.5: J44.2 110.49,13.67 114,17.19 J41.3 114.3,19.73 R196.1
OUTDOOR_SENSOR_DSDA_N_CON: length 13.5
  Bottom w0.5: J44.7 116.84,15.92 117.64,16.72 J41.2 117.48,19.6 R195.1
OUTDOOR_SENSOR_DSDA_P_CON: length 12.1
  Bottom w0.5: R194.1 120.65,20.07 J41.1 121.29,15.24 J44.8
PCB_FREE1_3V3: length 91.6
  Top w0.25: 183.07,152.78 182.16,151.87
  Top w0.5: U11.4 183.07,152.78 ; 182.16,149.61 v1(182.18,149.61) 182.16,150.78 182.16,151.87 183.05,152.76 ; 179.62,148.26 179.62,148.23 v1(179.64,148.21) 179.62,148.19 179.62,145.88 180.34,145.16 198.12,145.16 200.66,142.62 212.09,142.62 215.9,138.81 215.9,122.11 214.19,120.4 208.28,120.4 204.79,116.9 204.79,112.27 205.83,111.23 U26.5
  Bottom w0.5: 179.62,148.26 R79.1 182.16,149.61
PCB_FREE2_3V3: length 92.7
  Top w0.25: 183.69,154.08 183.66,154.05
  Top w0.5: U26.4 207.08,111.88 206.06,112.9 206.06,115.63 209.87,119.44 215.14,119.44 217.17,121.48 217.17,139.45 212.73,143.89 201.3,143.89 197.49,147.7 182.25,147.7 180.34,149.61 180.34,155.13 181.17,155.96 v1(182.31,155.96) 182.31,155.07 183.29,154.08 U11.2
  Bottom w0.5: 182.25,155.96 R78.1
